# KiCad board CawDrive_panel.kicad_pcb (continued)
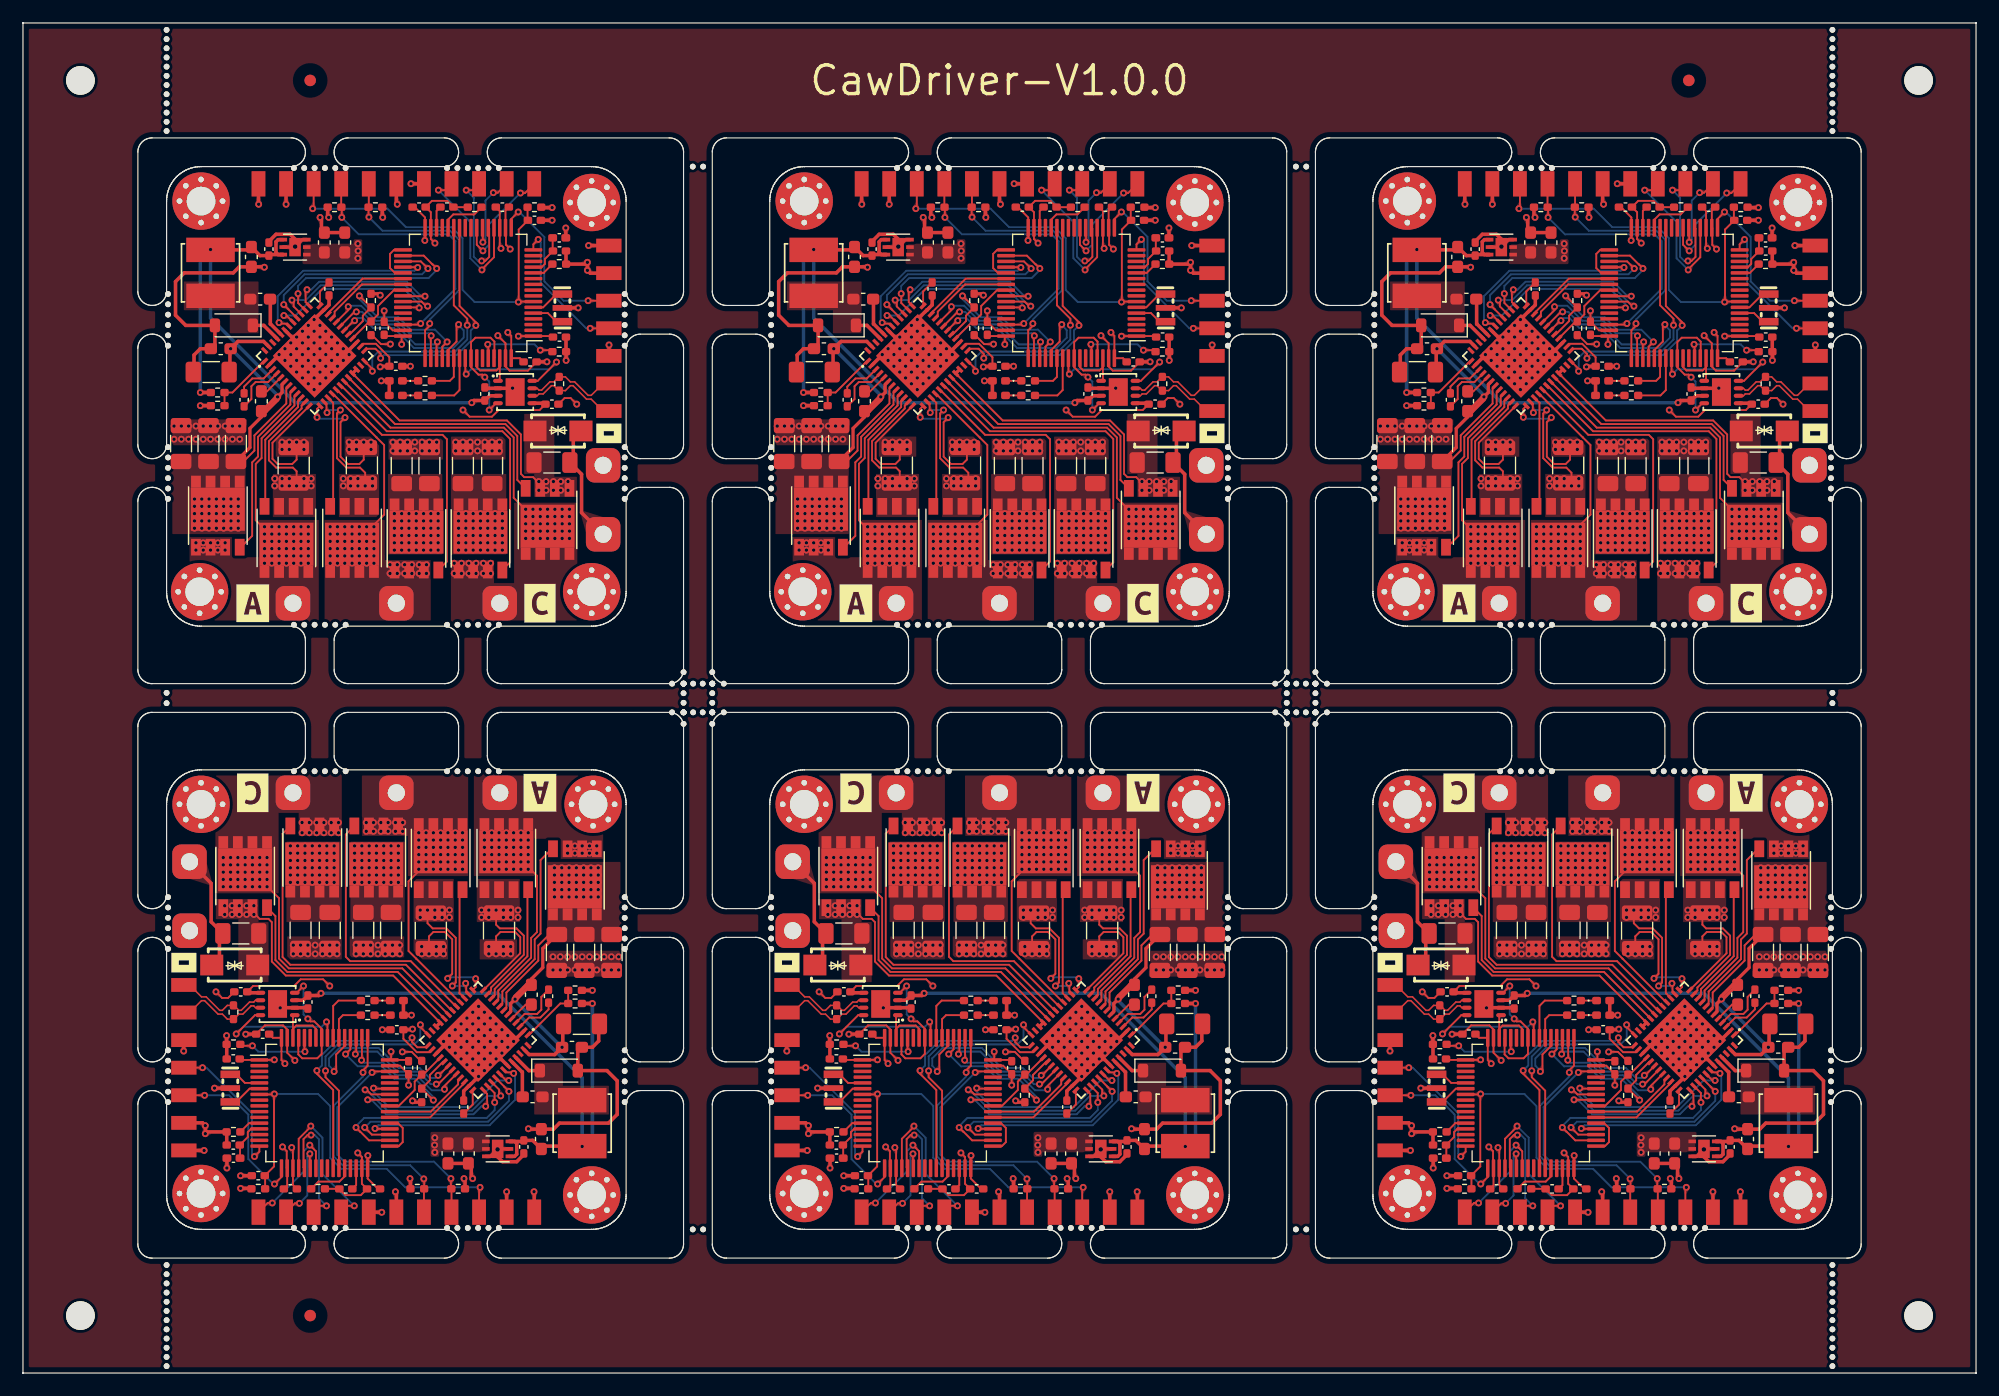
[diagram p0: board, top side]
## Routing (per net, layer and track width the routed paths; a pad name or vN(x,y) marks a point on that pad's centre or on a via; arc(x,y) is an arc through that point) (continued)
  vias: v1(65.65,82.42) v1(65.65,81.27) v1(66.28,82.42) v1(66.28,81.27) v1(66.92,82.42) v1(66.92,81.27) v1(67.56,82.42) v1(67.56,81.27) v1(68.19,82.42) v1(68.19,81.27) v1(68.82,82.42) v1(68.82,81.27) v1(69.46,82.42) v1(69.46,81.27) v1(70.09,82.42) v1(70.09,81.27) v1(70.73,82.42) v1(70.73,81.27) v1(71.37,82.42) v1(71.37,81.27) v1(75.05,81.02) v1(75.05,80.38) v1(75.3,89.15) v1(75.3,88.13) v1(75.68,81.02) v1(75.68,80.38) v1(75.81,89.66) v1(75.81,88.64) v1(75.81,87.62) v1(76.32,89.15) v1(76.32,88.13) v1(76.32,87.12) v1(76.32,81.02) v1(76.83,90.67) v1(76.83,89.66) v1(76.83,88.64) v1(76.83,87.62) v1(76.83,86.61) v1(76.95,81.02) v1(76.95,80.38) v1(77.33,91.18) v1(77.33,90.16) v1(77.33,89.15) v1(77.33,88.13) v1(77.33,87.12) v1(77.33,86.1) v1(77.84,90.67) v1(77.84,89.66) v1(77.84,87.62) v1(77.84,86.61) v1(77.84,85.59) v1(78.35,91.18) v1(78.35,90.16) v1(78.35,89.15) v1(78.35,88.13) v1(78.35,87.12) v1(78.35,86.1) v1(78.86,90.67) v1(78.86,89.66) v1(78.86,88.64) v1(78.86,87.62) v1(78.86,86.61) v1(79.37,90.16) v1(79.37,89.15) v1(79.37,88.13) v1(79.37,87.12) v1(79.87,89.66) v1(79.87,88.64) v1(79.87,87.62) v1(80.38,89.15) v1(80.38,88.13) v1(80.89,81.02) v1(80.89,80.38) v1(81.53,81.02) v1(81.53,80.38) v1(82.16,81.02) v1(82.79,81.02) v1(82.79,80.38) v1(84.7,81.02) v1(84.7,80.26) v1(85.34,81.02) v1(85.34,80.26) v1(85.97,81.02) v1(85.97,80.26) v1(86.6,81.02) v1(86.6,80.26) v1(87.24,81.02) v1(87.24,80.26) v1(87.88,81.02) v1(87.88,80.26) v1(88.51,81.02) v1(88.51,80.26) v1(90.16,81.02) v1(90.16,80.26) v1(90.8,81.02) v1(90.8,80.26) v1(91.43,81.02) v1(91.43,80.26) v1(92.07,81.02) v1(92.07,80.26) v1(92.7,81.02) v1(92.7,80.26) v1(93.34,81.02) v1(93.34,80.26) v1(93.97,81.02) v1(93.97,80.26) v1(97.4,77.59) v1(98.03,77.59) v1(98.03,76.83) v1(98.67,77.59) v1(98.67,76.83) v1(99.31,77.59) v1(99.31,76.83) v1(99.94,77.59) v1(99.94,76.83)
Board_1-Net-(D1-K): length 1.4
  Top w0.16: D1#5.1 R9.1
Board_1-Net-(D2-K): length 1.4
  Top w0.16: D2#2.1 R11.1
Board_1-Net-(U1-BOOT0): length 7.1
  Top w0.16: v1(97.53,89.02) 98.45,89.02 R1#3.2 ; U1#2.60 93,89.48 v1(92.96,89.53)
  Bottom w0.16: v1(92.96,89.53) 97.02,89.53 v1(97.53,89.02)
Board_1-Net-(U1-PB2): length 4.1
  Top w0.16: U1#2.28 89.5,100.38 89.96,100.84 91.78,100.84 R3.1
Board_1-Net-(U1-VCAP_1): length 1.9
  Top w0.16: U1#2.30 88.5,101.15 C1#5.1
Board_1-Net-(U1-VSSA): length 2
  Top w0.16: U1#2.12 97.82,95.75 R2#5.1
Board_1-Net-(U5-CPH): length 4.7
  Top w0.16: U5#6.4 73.85,86.25 72.75,86.25 72.38,85.88 72.38,84.77 C27#3.2
Board_1-Net-(U5-CPL): length 3.7
  Top w0.16: C27#3.1 71.75,85.85 72.46,86.56 73.45,86.56 U5#6.3
Board_1-Net-(U5-DVDD): length 2.4
  Top w0.16: C31#5.1 78.35,94.13 U5#6.36
Board_1-Net-(U5-VCP): length 2.2
  Top w0.16: C28#5.2 73.74,85.44 U5#6.5
Board_2-+3.3V: length 43
  Top w0.16: R17#6.1 135.38,90.33 136.16,89.55 v1(136.98,89.55) ; C3#6.1 146.5,101.13 U1#4.19 146.5,97.99 v1(146.61,97.88) ; v1(143.3,83.81) 143.88,83.23 145.82,83.23 146.4,83.81 149.97,83.81 C9.2 ; C6#5.1 148.25,88.33 U1#4.64 147.5,90.27 v1(147.2,90.57) ; C4#3.1 139.09,101.48 140,100.57 U1#4.32 140,98.59 v1(139.98,98.57) ; v1(137.96,89.53) 137.96,90.14 U1#4.48 136.55,90.25 C5#3.1 ; v1(148.12,90.24) 148.13,90.25 U1#4.1 151.04,90.25 C2#4.1 ; U5#3.26 134.62,89.58 135.72,89.58 136.89,88.41 C32#2.1
  Top w0.279: v1(136.1,93.81) 135.97,93.94 R16#6.1 ; C32#2.1 136.14,87.62 v1(136.09,87.57)
  Top w0.305: v1(154.23,98.13) 154.23,98.13 J4#5.1 ; v1(136.18,86.35) 136.93,86.35 ; v1(125.52,101.72) 125.5,101.74 J1#2.1 ; U3#3.5 150.39,84.4 C9.2 ; v1(151.06,101.43) 150.15,101.43 R10#3.1 ; L1#5.1 v1(152.25,99.66) ; J1#2.6 137.5,101.8 v1(137.58,101.72) ; D1.2 D2.2 ; v1(131.61,100.58) 131.52,100.67 R5#6.2
  vias: v1(134.15,98.29) v1(134.17,97.66) v1(134.15,97.02)
Board_2-+3.3VA: length 3.7
  Top w0.16: U1#4.13 150.15,96.25 150.43,96.53 150.43,96.96 C8.1 151.11,97.68 L1#5.2
Board_2-+5V: length 57.2
  Top w0.305: U2#5.4 127.21,98.64 127.02,98.46 127.02,97.53 127.21,97.34 U2#5.6 126.49,97.34 126.41,97.25 125.63,97.25 C16.1 124.63,97.75 L2.2 v1(121.32,97.78) ; v1(144.06,84.45) 144.25,84.64 C12#2.2 145.61,85.05 U3#3.3 ; R13#6.1 v1(120.44,85.34)
  Bottom w0.305: v1(144.06,84.45) 128.69,84.45 121.32,91.81 v1(121.32,97.78) 120.44,96.9 v1(120.44,85.34)
Board_2-+36V: length 42.7
  Top w0.16: U5#3.7 127.92,85.7 127.92,84.38 125.15,81.61 125.15,80.29 124.19,79.33 C20#5.1 ; 123.53,78.95 124.2,78.95
  Top w0.279: U5#3.6 127.55,86.04 127.55,85.34 v1(127.17,84.96) 127.04,84.96 125.8,83.71 C28#2.1 125.75,83.21 124.75,82.21 124.75,80.55 C20#5.1
  Top w0.305: v1(127.17,84.96) 127.17,84.7 126.18,83.71 125.8,83.71 ; U5#3.47 125.95,89.78 123.71,89.78 v1(123.08,89.15) 123.01,89.09 123.01,87.12 ; H9#6.1 153.62,74.88 153.62,78.23 C29#6.1 152.9,79.54 152.9,81.32 TV1#5.1
  Bottom w0.305: v1(123.08,89.15) 123.1,89.15 127.17,85.08 v1(127.17,84.96)
  vias: v1(119.93,76.07) v1(119.93,75.43) v1(119.93,74.8) v1(119.93,74.16) v1(119.93,73.53) v1(120.56,76.07) v1(120.56,75.43) v1(120.56,74.8) v1(120.56,74.16) v1(120.56,73.53) v1(121.2,76.07) v1(121.2,75.43) v1(121.2,74.8) v1(121.2,74.16) v1(121.2,73.53) v1(121.83,76.07) v1(121.83,75.43) v1(121.83,74.8) v1(121.83,74.16) v1(121.83,73.53) v1(122.47,76.07) v1(122.47,75.43) v1(122.47,74.8) v1(122.47,74.16) v1(122.47,73.53) v1(123.1,76.07) v1(123.1,75.43) v1(123.1,74.8) v1(123.1,74.16) v1(123.1,73.53) v1(123.74,76.07) v1(123.74,75.43) v1(123.74,74.8) v1(123.74,74.16) v1(123.74,73.53) v1(137.33,74.8) v1(137.33,74.16) v1(137.33,73.53) v1(137.33,72.89) v1(137.33,72.26) v1(137.33,71.62) v1(137.96,74.8) v1(137.96,74.16) v1(137.96,73.53) v1(137.96,72.89) v1(137.96,72.26) v1(137.96,71.62) v1(138.6,74.8) v1(138.6,74.16) v1(138.6,73.53) v1(138.6,72.89) v1(138.6,72.26) v1(138.6,71.62) v1(139.23,74.8) v1(139.23,74.16) v1(139.23,73.53) v1(139.23,72.89) v1(139.23,72.26) v1(139.23,71.62) v1(139.87,74.8) v1(139.87,74.16) v1(139.87,73.53) v1(139.87,72.89) v1(139.87,72.26) v1(139.87,71.62) v1(140.5,74.8) v1(140.5,74.16) v1(140.5,73.53) v1(140.5,72.89) v1(140.5,72.26) v1(140.5,71.62) v1(141.14,74.8) v1(141.14,74.16) v1(141.14,73.53) v1(141.14,72.89) v1(141.14,72.26) v1(141.14,71.62) v1(142.91,74.8) v1(142.91,74.16) v1(142.91,73.53) v1(142.91,72.89) v1(142.91,72.26) v1(142.91,71.62) v1(143.55,74.8) v1(143.55,74.16) v1(143.55,73.53) v1(143.55,72.89) v1(143.55,72.26) v1(143.55,71.62) v1(144.19,74.8) v1(144.19,74.16) v1(144.19,73.53) v1(144.19,72.89) v1(144.19,72.26) v1(144.19,71.62) v1(144.82,74.8) v1(144.82,74.16) v1(144.82,73.53) v1(144.82,72.89) v1(144.82,72.26) v1(144.82,71.62) v1(145.46,74.8) v1(145.46,74.16) v1(145.46,73.53) v1(145.46,72.89) v1(145.46,72.26) v1(145.46,71.62) v1(146.09,74.8) v1(146.09,74.16) v1(146.09,73.53) v1(146.09,72.89) v1(146.09,72.26) v1(146.09,71.62) v1(146.72,74.8) v1(146.72,74.16) v1(146.72,73.53) v1(146.72,72.89) v1(146.72,72.26) v1(146.72,71.62)
Board_2-/ADC1_IN8: length 21.1
  Top w0.16: U1#4.26 143,92.87 144.42,91.45 v1(144.42,91.18) ; U5#3.25 134.9,89.15 135.68,89.15 136.13,88.69 v1(136.13,88.32)
  Bottom w0.16: v1(144.42,91.18) 143.98,90.74 143.98,89.82 142.75,88.59 136.4,88.59 v1(136.13,88.32)
Board_2-/ADC1_IN9: length 21.5
  Top w0.16: v1(143.67,91.2) 143.67,91.76 142.5,92.93 U1#4.27 ; U5#3.24 135.41,87.39 v1(135.41,87.19)
  Bottom w0.16: v1(143.67,91.2) 143.67,89.95 142.62,88.9 135.94,88.9 135.41,88.37 v1(135.41,87.19)
Board_2-/CAN_N: length 8.3
  Top w0.129: J4#5.7 155.5,83.73 154.46,84.76 154.05,84.76 152.88,85.93 152.65,85.93 152.21,85.5 R8#5.1 151.64,85.5 151.21,85.93 151,85.93 150.28,85.21 149.91,85.21 149.75,85.05 U3#3.6
Board_2-/CAN_P: length 8.3
  Top w0.129: J4#5.6 155.5,86.13 154.46,85.09 154.19,85.09 153.02,86.27 152.65,86.27 152.21,86.7 R8#5.2 151.64,86.7 151.21,86.27 150.86,86.27 150.14,85.55 149.91,85.55 149.75,85.7 U3#3.7
Board_2-/CAN_RX: length 11.6
  Top w0.16: v1(145.58,83.81) 146.17,84.4 U3#3.4 ; v1(145.2,86.67) 144.98,86.89 144.64,86.89 144,87.54 U1#4.57 144,89.72 144.38,90.11 145.7,90.11 146.04,89.77 146.04,88.36 U1#4.61
  Bottom w0.16: v1(145.2,86.67) 145.58,86.29 v1(145.58,83.81)
Board_2-/CAN_STB: length 12.5
  Top w0.16: U3#3.8 149.8,86.35 v1(151.44,87.99) ; v1(143.58,86.94) 143.5,87.02 U1#4.56
  Bottom w0.16: v1(151.44,87.99) 150.81,87.36 144,87.36 v1(143.58,86.94)
Board_2-/CAN_TX: length 5.8
  Top w0.16: U1#4.58 144.5,87.55 144.79,87.25 146.21,87.25 146.5,87.55 U1#4.62 146.5,86.51 U3#3.1
Board_2-/DRV8323RSRGZR/CB: length 3.5
  Top w0.305: C15#2.1 126.53,93.44 126.53,91.31 126.55,91.31 U5#3.44
Board_2-/DRV8323RSRGZR/FB: length 5.8
  Top w0.16: R14.1 R13#6.2 123.23,85.34 125.95,88.06 U5#3.1
Board_2-/DRV8323RSRGZR/GHA: length 15.7
  Top w0.16: Q7#5.4 123.97,71.88 124.95,72.86 124.95,79.26 125.46,79.77 125.46,81.48 128.27,84.29 128.27,85.35 U5#3.8
Board_2-/DRV8323RSRGZR/GHB: length 23.1
  Top w0.16: U5#3.17 132.31,85.59 136.24,81.66 141.52,81.66 141.9,81.27 141.9,70.63 Q9#5.4
Board_2-/DRV8323RSRGZR/GHC: length 28.4
  Top w0.16: Q11.4 147.4,70.57 147.4,81.3 146.73,81.97 136.67,81.97 132.69,85.94 U5#3.18
Board_2-/DRV8323RSRGZR/GLA: length 10.8
  Top w0.16: Q8#3.4 126.09,75.5 126.09,81.23 128.94,84.08 128.94,84.6 U5#3.10
Board_2-/DRV8323RSRGZR/GLB: length 9.7
  Top w0.16: U5#3.15 132,84.44 132,75.69 Q10#5.4
Board_2-/DRV8323RSRGZR/GLC: length 21.7
  Top w0.16: U5#3.20 137.38,82.59 146.99,82.59 148.03,81.56 148.03,77.73 Q12#4.4
Board_2-/DRV8323RSRGZR/PHASA: length 17.5
  Top w0.16: 128.06,72.13 v1(127.93,72.38) 127.48,72.13 127.29,72.31 v1(127.29,72.38) 127.22,72.38 126.66,72.95 v1(126.66,73.02) 126.59,73.02 126.02,73.59 v1(126.02,73.65) 125.96,73.65 ; 127.8,71.39 v1(127.93,71.11) v1(127.93,71.75) 127.8,71.81 ; U5#3.9 128.63,85 128.63,84.21 125.77,81.35 125.77,79.64 125.26,79.13 125.26,74.22 125.83,73.65
  vias: v1(120.06,72.26) v1(120.06,71.62) v1(120.69,72.26) v1(120.69,71.62) v1(121.32,72.26) v1(121.32,71.62) v1(121.96,72.26) v1(121.96,71.62) v1(122.59,72.26) v1(122.59,71.62) v1(126.02,73.02) v1(126.02,72.38) v1(126.02,71.75) v1(126.02,71.11) v1(126.02,70.48) v1(126.66,73.65) v1(126.66,72.38) v1(126.66,71.75) v1(126.66,71.11) v1(126.66,70.48) v1(127.29,73.65) v1(127.29,73.02) v1(127.29,71.75) v1(127.29,71.11) v1(127.29,70.48) v1(127.93,73.65) v1(127.93,73.02) v1(127.93,70.48) v1(128.56,73.65) v1(128.56,73.02) v1(128.56,72.38) v1(128.56,71.75) v1(128.56,71.11) v1(128.56,70.48) v1(129.2,73.65) v1(129.2,73.02) v1(129.2,72.38) v1(129.2,71.75) v1(129.2,71.11) v1(129.2,70.48) v1(129.83,73.65) v1(129.83,73.02) v1(129.83,72.38) v1(129.83,71.75) v1(129.83,71.11) v1(129.83,70.48)
Board_2-/DRV8323RSRGZR/PHASB: length 17.5
  Top w0.16: Q10#5.9 v1(133.64,72.38) 133.86,72.13 134.12,72.38 v1(134.28,72.38) v1(134.28,73.02) v1(134.91,73.02) v1(134.91,73.65) v1(135.55,73.65) 135.55,73.82 136.44,74.71 136.44,80.77 135.77,81.43 135.77,81.43 131.97,85.23 U5#3.16
  vias: v1(131.74,73.65) v1(131.74,73.02) v1(131.74,72.38) v1(131.74,71.75) v1(131.74,71.11) v1(131.74,70.48) v1(132.37,73.65) v1(132.37,73.02) v1(132.37,72.38) v1(132.37,71.75) v1(132.37,71.11) v1(132.37,70.48) v1(133.01,73.65) v1(133.01,73.02) v1(133.01,72.38) v1(133.01,71.75) v1(133.01,71.11) v1(133.01,70.48) v1(133.64,73.65) v1(133.64,73.02) v1(133.64,71.75) v1(133.64,71.11) v1(133.64,70.48) v1(134.28,73.65) v1(134.28,71.75) v1(134.28,71.11) v1(134.28,70.48) v1(134.91,72.38) v1(134.91,71.75) v1(134.91,71.11) v1(134.91,70.48) v1(135.55,73.02) v1(135.55,72.38) v1(135.55,71.75) v1(135.55,71.11) v1(135.55,70.48) v1(136.95,70.35) v1(136.95,69.59) v1(137.58,70.35) v1(137.58,69.59) v1(138.22,70.35) v1(138.22,69.59) v1(138.85,70.35) v1(138.85,69.59) v1(139.49,70.35) v1(139.49,69.59) v1(140.12,70.35) v1(140.12,69.59)
Board_2-/DRV8323RSRGZR/PHASC: length 26.3
  Top w0.16: U5#3.19 136.99,82.28 146.86,82.28 147.71,81.43 147.71,76.17 148.71,75.18 v1(148.76,75.18) 148.76,75.13 149.34,74.54 v1(149.39,74.54) 149.39,74.5 149.98,73.91 v1(150.03,73.91) 150.03,73.86 150.19,73.7 v1(150.66,73.91) Q12#4.9
  vias: v1(142.53,70.48) v1(142.53,69.59) v1(143.17,70.48) v1(143.17,69.59) v1(143.8,70.48) v1(143.8,69.59) v1(144.44,70.48) v1(144.44,69.59) v1(145.07,70.48) v1(145.07,69.59) v1(145.71,70.48) v1(145.71,69.59) v1(148.76,74.54) v1(148.76,73.91) v1(148.76,73.27) v1(148.76,72.64) v1(149.39,75.18) v1(149.39,73.91) v1(149.39,73.27) v1(149.39,72.64) v1(150.03,75.18) v1(150.03,74.54) v1(150.03,73.27) v1(150.03,72.64) v1(150.66,75.18) v1(150.66,74.54) v1(150.66,73.27) v1(150.66,72.64) v1(151.3,75.18) v1(151.3,74.54) v1(151.3,73.91) v1(151.3,73.27) v1(151.3,72.64) v1(151.93,75.18) v1(151.93,74.54) v1(151.93,73.91) v1(151.93,73.27) v1(151.93,72.64) v1(152.57,75.18) v1(152.57,74.54) v1(152.57,73.91) v1(152.57,73.27) v1(152.57,72.64)
Board_2-/DRV8323RSRGZR/SPA: length 11.2
  Top w0.16: U5#3.11 129.25,84.21 129.25,83.95 126.41,81.1 126.41,79.44 127.04,78.8 128.5,78.8 128.82,78.48 128.82,77.69 R18#5.1 v1(128.82,77.21) 128.56,77.59
  vias: v1(126.91,77.84) v1(126.91,77.21) v1(127.55,77.84) v1(127.55,77.21) v1(128.18,77.84) v1(128.18,77.21) v1(129.45,77.84) v1(129.45,77.21) v1(130.09,77.84) v1(130.09,77.21)
Board_2-/DRV8323RSRGZR/SPB: length 10.6
  Top w0.16: R19#4.1 134.79,77.74 134.79,78.35 134.34,78.8 133.15,78.8 132.33,79.62 132.33,83.51 v1(132.63,83.81) ; U5#3.14 131.42,84.31 131.42,83.63 v1(131.47,83.58)
  Bottom w0.16: v1(132.63,83.81) 131.7,83.81 v1(131.47,83.58)
  vias: v1(132.88,77.84) v1(132.88,77.21) v1(133.52,77.84) v1(133.52,77.21) v1(134.15,77.84) v1(134.15,77.21) v1(134.79,77.21) v1(135.42,77.84) v1(135.42,77.21)
Board_2-/DRV8323RSRGZR/SW: length 2.6
  Top w0.305: D3#4.1 125.96,91.18 127.09,90.05 U5#3.45
Board_2-/DRV_CAL: length 7.8
  Top w0.16: U1#4.38 134.56,95.25 131.56,92.25 U5#3.34
Board_2-/DRV_ENABLE: length 7.6
  Top w0.16: U1#4.39 134.5,94.75 132.13,92.37 132.13,92.03 U5#3.33
Board_2-/DRV_FAULT: length 6.6
  Top w0.16: U5#3.28 135.15,91.52 R17#6.2 135.91,92.13 135.91,92.87 137.29,94.25 U1#4.40
Board_2-/DRV_STA: length 5.4
  Top w0.16: U1#4.55 143,85.55 142.53,85.08 R11#5.2
Board_2-/HSE_IN: length 2.8
  Top w0.16: X1#3.1 151.43,91.5 150.68,92.25 U1#4.5
Board_2-/HSE_OUT: length 3
  Top w0.16: X1#3.3 151.43,93.9 150.27,92.75 U1#4.6
Board_2-/MCU_STA: length 3.7
  Top w0.16: U1#4.54 142.5,86.7 142.15,86.35 R9#6.2
Board_2-/RESET: length 36
  Top w0.16: R10#3.2 148.92,100.35 C14#2.1 148.15,99.52 148.15,93.24 v1(148.12,93.21) 148.16,93.25 U1#4.7 ; v1(130.22,101.34) 130.3,101.42 J1#2.3
  Bottom w0.16: v1(148.12,93.21) 144.31,93.21 143.26,94.26 143.26,98.77 142.3,99.73 138.33,99.73 136.72,101.34 v1(130.22,101.34)
Board_2-/SPI1_MISO: length 7.4
  Top w0.16: v1(145.94,102.73) 146.33,102.73 J1#2.10 ; v1(145.03,98.42) 145.03,99.64 U1#4.22
  Bottom w0.16: v1(145.94,102.73) 145.25,102.04 145.25,98.64 v1(145.03,98.42)
Board_2-/SPI1_MOSI: length 10.1
  Top w0.16: J1#2.11 148.7,102.7 v1(148.3,102.7) ; v1(145.04,97.67) 144.82,97.89 144.81,97.89 144.5,98.2 U1#4.23
  Bottom w0.16: v1(145.04,97.67) 145.56,98.2 145.56,99.96 v1(148.3,102.7)
Board_2-/SPI1_NSS: length 14
  Top w0.16: J1#2.8 141.75,102.95 v1(141.16,102.95) ; v1(144.95,96.01) 144.95,96.06 146,97.12 U1#4.20
  Bottom w0.16: v1(144.95,96.01) 143.93,97.02 143.93,100.18 v1(141.16,102.95)
Board_2-/SPI1_SCK: length 11.6
  Top w0.16: v1(144.92,96.79) 145.23,96.79 145.58,97.14 145.58,99.59 U1#4.21 ; J1#2.9 144.15,102.95 v1(143.58,102.95)
  Bottom w0.16: v1(143.58,102.95) 144.24,102.29 144.24,97.15 144.6,96.79 v1(144.92,96.79)
Board_2-/SPI3_MISO: length 15.7
  Top w0.16: v1(134.28,93.75) 134.29,93.75 R16#6.2 134.58,92.03 134.58,91.55 133.43,90.4 U5#3.29 ; U1#4.52 141.5,89.32 v1(141.92,89.74)
  Bottom w0.16: v1(141.92,89.74) 140.86,90.81 138.76,90.81 137.68,91.89 135.86,91.89 134.28,93.47 v1(134.28,93.75)
Board_2-/SPI3_MOSI: length 16.9
  Top w0.16: U1#4.53 142,89.03 142.74,89.77 142.74,91.08 v1(142.92,91.26) ; U5#3.30 133.81,91.6 v1(133.87,91.6)
  Bottom w0.16: v1(133.87,91.6) 134.09,91.81 134.61,91.81 135.48,90.95 137.29,90.95 139.03,89.21 142.45,89.21 143.36,90.12 143.36,90.75 142.92,91.19 v1(142.92,91.26)
Board_2-/SPI3_NSS: length 12.1
  Top w0.16: v1(140.53,90.28) 140.5,90.24 U1#4.50 ; U5#3.32 133.31,92.51 v1(133.31,92.81)
  Bottom w0.16: v1(133.31,92.81) 133.39,92.89 134.42,92.89 135.73,91.58 137.55,91.58 138.63,90.5 140.31,90.5 v1(140.53,90.28)
Board_2-/SPI3_SCK: length 11.7
  Top w0.16: v1(134.02,92.36) 133.86,92.36 132.62,91.12 U5#3.31 ; U1#4.51 141,89.67 v1(141.07,89.74)
  Bottom w0.16: v1(134.02,92.36) 134.51,92.36 135.6,91.27 137.42,91.27 139.16,89.52 140.85,89.52 v1(141.07,89.74)
Board_2-/SWCLK: length 23.1
  Top w0.16: v1(135.11,100.6) 135.08,100.63 R6#5.1 135.1,101.49 J1#2.5 ; U1#4.49 140,90.75 140.4,91.15 v1(140.4,91.34)
  Bottom w0.16: v1(140.4,91.34) 140.4,91.69 142.95,94.23 142.95,98.64 142.17,99.42 136.29,99.42 v1(135.11,100.6)
Board_2-/SWDIO: length 23.7
  Top w0.16: v1(132.75,100.58) 132.75,101.43 R5#6.1 132.7,101.48 J1#2.4 ; v1(139.61,91.34) 139.52,91.25 U1#4.46
  Bottom w0.16: v1(139.61,91.34) 142.64,94.36 142.64,98.51 142.04,99.11 134.22,99.11 v1(132.75,100.58)
Board_2-/TIM1_BKIN: length 3.8
  Top w0.16: U1#4.33 137.29,97.75 136.95,97.4 136.95,96.17 137.37,95.75 U1#4.37
Board_2-/TIM1_PWM_CH1: length 14.6
  Top w0.16: v1(139.99,93.72) 138.81,93.72 138.78,93.75 U1#4.41 ; U5#3.37 129.6,93.2 129.6,94.16 v1(129.72,94.29)
  Bottom w0.16: v1(129.72,94.29) 130.09,94.29 130.78,94.98 138.4,94.98 139.66,93.72 v1(139.99,93.72)
Board_2-/TIM1_PWM_CH1N: length 18.5
  Top w0.16: v1(141.01,96.13) 140.65,96.49 140.64,96.49 139.88,97.25 U1#4.34 ; v1(128.94,93.94) 128.95,93.94 128.95,93.13 129.55,92.53 U5#3.38
  Bottom w0.16: v1(141.01,96.13) 141.01,96.01 140.3,95.29 129.62,95.29 128.94,94.61 v1(128.94,93.94)
Board_2-/TIM1_PWM_CH2: length 16.9
  Top w0.16: U1#4.42 139.69,93.25 140.09,92.85 v1(140.22,92.85) ; U5#3.39 128.56,92.83 128.56,93.23 v1(128.42,93.38)
  Bottom w0.16: v1(140.22,92.85) 140.09,92.85 138.28,94.67 130.91,94.67 129.62,93.38 v1(128.42,93.38)
Board_2-/TIM1_PWM_CH2N: length 18.4
  Top w0.16: U5#3.40 128.11,92.57 128.11,92.58 v1(127.7,92.99) ; v1(140.25,96.13) 139.63,96.75 U1#4.35
  Bottom w0.16: v1(127.7,92.99) 127.7,93.81 129.51,95.62 139.74,95.62 140.24,96.13 v1(140.25,96.13)
Board_2-/TIM1_PWM_CH3: length 16.1
  Top w0.16: v1(139.49,92.7) 139.44,92.75 U1#4.43 ; U5#3.41 127.93,92.04 v1(127.71,92.04)
  Bottom w0.16: v1(127.71,92.04) 128.73,92.04 131.04,94.35 138.15,94.35 139.49,93.02 v1(139.49,92.7)
Board_2-/TIM1_PWM_CH3N: length 17.9
  Top w0.16: U1#4.36 139.12,96.25 139.15,96.22 v1(139.36,96.22) ; v1(127.29,91.42) 127.38,91.33 127.94,91.33 U5#3.42
  Bottom w0.16: v1(127.29,91.42) 127.16,91.54 127.16,93.72 129.38,95.94 139.08,95.94 v1(139.36,96.22)
Board_2-/USART2_RX: length 15
  Top w0.16: v1(148.11,101.05) 147.5,100.44 U1#4.17 ; v1(154.19,93.33) 154.19,93.33 J4#5.3
  Bottom w0.16: v1(154.19,93.33) 152.06,93.33 150.38,95.01 150.38,98.88 148.21,101.05 v1(148.11,101.05)
Board_2-/USART2_TX: length 12.5
  Top w0.16: v1(154.37,90.93) J4#5.4 ; U1#4.16 149.43,98.23 v1(149.85,98.66)
  Bottom w0.16: v1(149.85,98.66) 150.07,98.44 150.07,94.88 154.02,90.93 v1(154.37,90.93)
Board_2-GND: length 125.8
  Top w0.16: v1(133.03,83.16) 132.64,82.76 132.64,79.75 133.28,79.12 134.28,79.12 134.66,79.5 134.66,80.39 R19#4.2 ; v1(140.86,98.34) 140.5,98.7 U1#4.31 140.5,101.03 C4#3.2 140.6,102.02 141.92,102.02 C1.2 142.48,101.47 R3#2.2 ; U5#3.12 126.72,80.97 126.72,79.56 127.17,79.12 128.44,79.12 128.82,79.5 128.82,80.28 R18#5.2 ; v1(153.2,84.32) 152.67,84.85 152.14,84.85 C9.1 ; C6#5.2 148.94,87.24 147.36,87.24 147,87.6 U1#4.63 147,89.62 v1(146.33,90.29) ; v1(149.9,76.83) 149.9,77.47 149.4,77.97 148.63,77.97 148.34,78.26 148.34,81.69 147.12,82.9 137.78,82.9 U5#3.21 ; C3#6.2 147,101.18 U1#4.18 147.04,99.63 147.04,98.19 v1(147.41,97.82) ; v1(130.6,83.18) 130.6,83.92 U5#3.13 ; v1(136.44,92.45) C5#3.2 137.18,90.75 U1#4.47
  Top w0.279: C32#2.2 v1(138.72,87.62) ; U5#3.22 U5#3.21
  Top w0.305: C31#3.2 131.64,92.96 U5#3.35 131.18,92.53 v1(130.34,91.69) ; v2(128.69,98.04) 129.3,98.64 U2#5.3 ; C8.2 152.27,96.52 R2.2 153.97,96.51 v1(154.13,96.67) v1(154.13,95.97) 154.37,95.73 J4#5.2 ; R6#5.2 136.27,100.62 v1(136.31,100.58) ; C7#3.2 126.41,98.49 127.03,99.11 128.26,99.11 128.68,98.68 U2#5.7 U2#5.5 ; v1(126.01,96.24) 125.97,96.28 C16.2 123.83,96.28 123.3,95.75 119.04,95.75 118.28,94.99 118.28,92.07 119.17,91.18 D3#4.2 121.71,89.5 C33#5.2 120.44,89.15 119.89,88.6 119.89,87.12 ; U5#3.2 127.29,88.61 v1(127.29,88.64) ; v1(153.33,92.7) 151.81,92.7 ; U5#3.49 v1(130.34,88.64) ; C14#2.2 150.09,100.33 v1(151.06,100.33) ; R14.2 v1(120.44,84.19) ; v1(152.28,88.13) R1#5.1 152.27,88.9 C2#4.2 ; U5#3.43 128.4,90.16 v1(128.82,90.16) ; v1(156.01,89.48) 156.01,88.54 J4#5.5 ; C12#2.1 145.28,85.7 U3#3.2 147.6,85.7 v1(147.61,85.72) ; v1(138.77,103.51) 138.78,103.5 J1#2.7 ; v1(133.39,88.64) 133.39,89.05 U5#3.27 ; v1(130.86,100.58) 130.98,100.46 130.98,99.51 131.23,99.25 133.01,99.25 ; v1(127.9,101.72) J1#2.2 ; v1(150.61,88.01) 150.6,88 C6#5.2
  In2.Cu w0.813: 125.5,85 125.5,81.5
  Bottom w0.16: v1(133.03,83.16) 132.93,83.05 130.72,83.05 v1(130.6,83.18)
  vias: v1(118.15,82.42) v1(118.15,81.27) v1(118.78,82.42) v1(118.78,81.27) v1(119.42,82.42) v1(119.42,81.27) v1(120.06,82.42) v1(120.06,81.27) v1(120.69,82.42) v1(120.69,81.27) v1(121.32,82.42) v1(121.32,81.27) v1(121.96,82.42) v1(121.96,81.27) v1(122.59,82.42) v1(122.59,81.27) v1(123.23,82.42) v1(123.23,81.27) v1(123.87,82.42) v1(123.87,81.27) v1(127.55,81.02) v1(127.55,80.38) v1(127.8,89.15) v1(127.8,88.13) v1(128.18,81.02) v1(128.18,80.38) v1(128.31,89.66) v1(128.31,88.64) v1(128.31,87.62) v1(128.82,89.15) v1(128.82,88.13) v1(128.82,87.12) v1(128.82,81.02) v1(129.33,90.67) v1(129.33,89.66) v1(129.33,88.64) v1(129.33,87.62) v1(129.33,86.61) v1(129.45,81.02) v1(129.45,80.38) v1(129.83,91.18) v1(129.83,90.16) v1(129.83,89.15) v1(129.83,88.13) v1(129.83,87.12) v1(129.83,86.1) v1(130.34,90.67) v1(130.34,89.66) v1(130.34,87.62) v1(130.34,86.61) v1(130.34,85.59) v1(130.85,91.18) v1(130.85,90.16) v1(130.85,89.15) v1(130.85,88.13) v1(130.85,87.12) v1(130.85,86.1) v1(131.36,90.67) v1(131.36,89.66) v1(131.36,88.64) v1(131.36,87.62) v1(131.36,86.61) v1(131.87,90.16) v1(131.87,89.15) v1(131.87,88.13) v1(131.87,87.12) v1(132.37,89.66) v1(132.37,88.64) v1(132.37,87.62) v1(132.88,89.15) v1(132.88,88.13) v1(133.39,81.02) v1(133.39,80.38) v1(134.03,81.02) v1(134.03,80.38) v1(134.66,81.02) v1(135.29,81.02) v1(135.29,80.38) v1(137.2,81.02) v1(137.2,80.26) v1(137.84,81.02) v1(137.84,80.26) v1(138.47,81.02) v1(138.47,80.26) v1(139.1,81.02) v1(139.1,80.26) v1(139.74,81.02) v1(139.74,80.26) v1(140.38,81.02) v1(140.38,80.26) v1(141.01,81.02) v1(141.01,80.26) v1(142.66,81.02) v1(142.66,80.26) v1(143.3,81.02) v1(143.3,80.26) v1(143.93,81.02) v1(143.93,80.26) v1(144.57,81.02) v1(144.57,80.26) v1(145.2,81.02) v1(145.2,80.26) v1(145.84,81.02) v1(145.84,80.26) v1(146.47,81.02) v1(146.47,80.26) v1(149.9,77.59) v1(150.53,77.59) v1(150.53,76.83) v1(151.17,77.59) v1(151.17,76.83) v1(151.81,77.59) v1(151.81,76.83) v1(152.44,77.59) v1(152.44,76.83)
Board_2-Net-(D1-K): length 1.4
  Top w0.16: D1.1 R9#6.1
Board_2-Net-(D2-K): length 1.4
  Top w0.16: D2.1 R11#5.1
Board_2-Net-(U1-BOOT0): length 7.1
  Top w0.16: U1#4.60 145.5,89.48 v1(145.46,89.53) ; R1#5.2 150.95,89.02 v1(150.03,89.02)
  Bottom w0.16: v1(145.46,89.53) 149.52,89.53 v1(150.03,89.02)
Board_2-Net-(U1-PB2): length 4.1
  Top w0.16: R3#2.1 144.28,100.84 142.46,100.84 142,100.38 U1#4.28
Board_2-Net-(U1-VCAP_1): length 1.9
  Top w0.16: U1#4.30 141,101.15 C1.1
Board_2-Net-(U1-VSSA): length 2
  Top w0.16: R2.1 150.32,95.75 U1#4.12
Board_2-Net-(U5-CPH): length 4.7
  Top w0.16: C27#4.2 124.88,84.77 124.88,85.88 125.25,86.25 126.35,86.25 U5#3.4
Board_2-Net-(U5-CPL): length 3.7
  Top w0.16: U5#3.3 125.95,86.56 124.96,86.56 124.25,85.85 C27#4.1
Board_2-Net-(U5-DVDD): length 2.4
  Top w0.16: U5#3.36 130.85,94.13 C31#3.1
Board_2-Net-(U5-VCP): length 2.2
  Top w0.16: U5#3.5 126.24,85.44 C28#2.2
Board_3-+3.3V: length 43
  Top w0.16: v1(33.02,27.95) 33.84,27.95 34.62,27.17 R17#4.1 ; v1(26.7,33.69) 26.12,34.27 24.18,34.27 23.6,33.69 20.03,33.69 C9#2.2 ; C32#5.1 33.11,29.09 34.28,27.92 35.38,27.92 U5#5.26 ; v1(21.88,27.26) 21.87,27.25 U1.1 18.96,27.25 C2#3.1 ; C6#6.1 21.75,29.17 U1.64 22.5,27.23 v1(22.8,26.93) ; C5#6.1 33.45,27.25 U1.48 32.04,27.36 v1(32.04,27.97) ; v1(30.02,18.93) 30,18.91 U1.32 30,16.93 30.91,16.02 C4#2.1 ; C3#5.1 23.5,16.37 U1.19 23.5,19.51 v1(23.39,19.62)
  Top w0.279: R16#4.1 34.03,23.56 v1(33.9,23.69) ; v1(33.91,29.93) 33.86,29.88 C32#5.1
  Top w0.305: D1#3.2 D2#3.2 ; v1(44.48,15.78) 44.5,15.76 J1#5.1 ; v1(15.77,19.37) 15.77,19.37 J4#2.1 ; R10#6.1 19.85,16.07 v1(18.94,16.07) ; v1(32.42,15.78) 32.5,15.7 J1#5.6 ; v1(38.39,16.92) 38.48,16.83 R5#2.2 ; C9#2.2 19.61,33.1 U3#5.5 ; v1(33.82,31.15) 33.07,31.15 ; L1#6.1 v1(17.75,17.84)
  vias: v1(35.85,20.48) v1(35.83,19.84) v1(35.85,19.21)
Board_3-+3.3VA: length 3.7
  Top w0.16: U1.13 19.85,21.25 19.57,20.97 19.57,20.54 C8#4.1 18.89,19.82 L1#6.2
Board_3-+5V: length 57.2
  Top w0.305: U3#5.3 24.39,32.45 C12#6.2 25.75,32.86 v1(25.94,33.05) ; v1(48.67,19.72) L2#3.2 45.37,19.75 C16#5.1 44.37,20.25 C7#6.1 43.51,20.16 U2#2.6 42.79,20.16 42.98,19.97 42.98,19.04 42.79,18.86 U2#2.4 ; R13#4.1 v1(49.56,32.16)
  Bottom w0.305: v1(49.56,32.16) 49.56,20.61 v1(48.67,19.72) 48.67,25.69 41.31,33.05 v1(25.94,33.05)
